# Allegro board pc065a_toplevel_49_modvia.brd (continued)
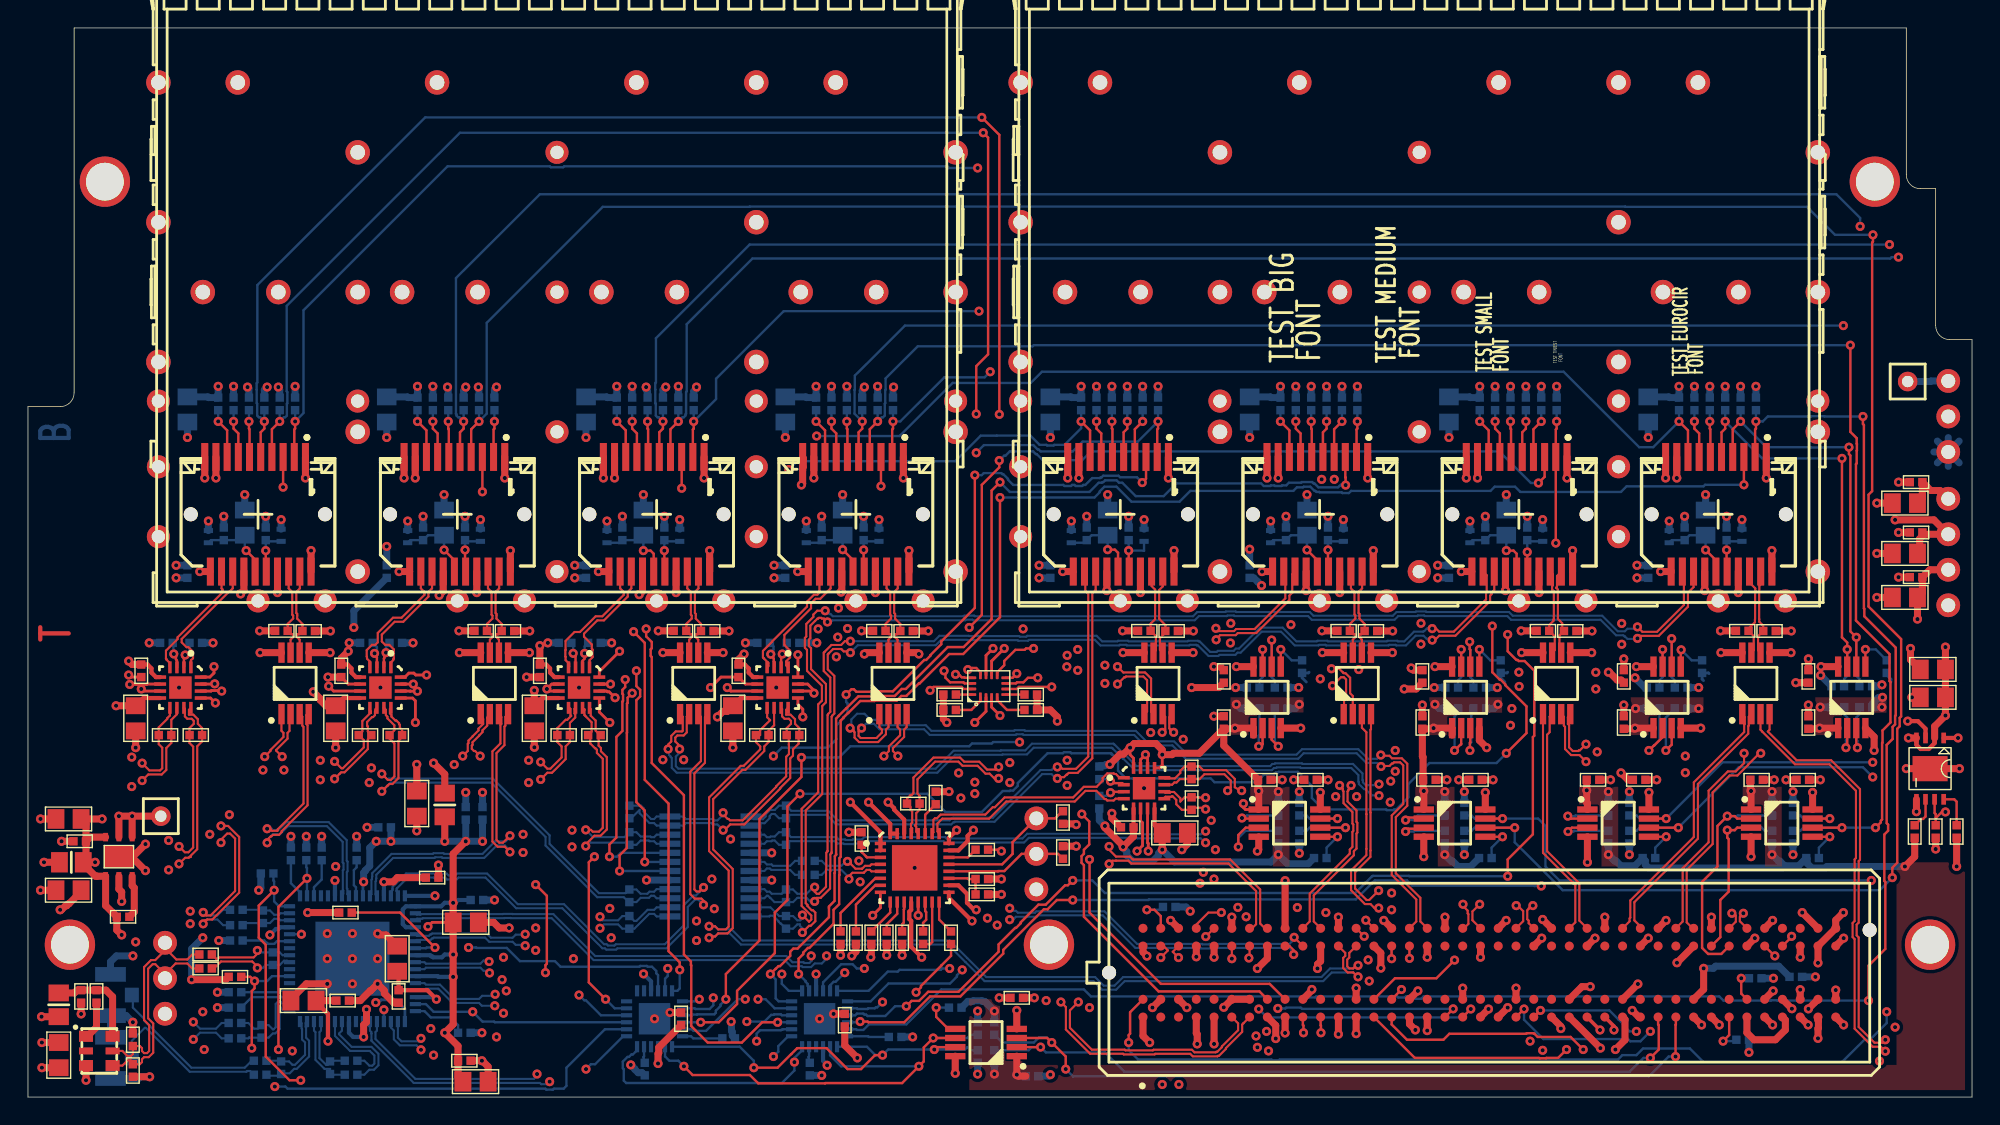
[diagram p0: board, top side]
## Routing (per net, layer and track width the routed paths; a pad name or vN(x,y) marks a point on that pad's centre or on a via; arc(x,y) is an arc through that point) (continued)
P1V3: length 39.9
  TOP w0.3: U11.4 135.03,25.2 135.33,24.9 135.9,24.9 136.32,25.33 U11.2
  TOP w0.5: R107.2 v1(106.77,33.36) ; R100.2 v1(126.07,33.35) ; J40.2 135.98,37.73 C36.2 135.45,36.1 C37.2 v1(135.1,34.2) ; R123.2 v1(78.27,33.36) ; R51.2 v1(64.37,33.35) ; R22.2 v1(16.57,33.36) ; R42.2 v1(45.07,33.36) ; R115.2 v1(92.52,33.36) ; R108.2 v1(111.82,33.35) ; R35.2 v1(35.87,33.35) ; R50.2 v1(59.6,33.36) ; R124.2 v1(83.32,33.35) ; R43.2 v1(50.12,33.35) ; R23.2 v1(21.62,33.35) ; v1(137.1,32.2) C100.2 C99.2 v1(137.1,27.3) 136.32,26.52 U11.2 ; U11.4 v1(134.45,25.7) ; R99.2 v1(121.02,33.36) ; R116.2 v1(97.57,33.35) ; R34.2 v1(30.82,33.36)
  L5_PWR w0.5: 136.52,36.95 J40.2 ; J40.2 136.52,38.51 ; J40.2 136.27,37.73 ; J40.2 137.3,36.7 ; J40.2 137.3,38.76 ; J40.2 138.08,38.51 ; J40.2 138.08,36.95
P1V8A: length 27.5
  TOP w0.3: v1(29.2,7) 28.55,7.65 C18.2 26.5,8.62 26.4,8.72 C16.2 ; C19.2 20.6,6.8 21.45,5.95 v1(21.45,4)
  TOP w0.5: v1(7.45,20.1) TP1.1 ; v1(7.45,20.1) v1(6.5,20.1) U2.5 ; v1(7.45,20.1) U2.4 ; C20.2 C19.2
  L5_PWR w0.5: TP1.1 10.17,20.77 ; TP1.1 10.38,20.1 ; TP1.1 8.83,19.43 ; TP1.1 8.83,20.77 ; TP1.1 8.62,20.1 ; TP1.1 9.5,19.22 ; TP1.1 9.5,20.98 ; TP1.1 10.17,19.43
  BOTTOM w0.3: v1(29.2,7) 29.05,7.15 IC3.46 ; v1(29.1,14.4) IC3.32 ; IC3.60 v1(21.45,4)
P2V5: length 187.5
  TOP w0.2: 88,20.58 87.05,20.58 86.9,20.72 v1(86.9,21) ; IC5.16 26.95,30.05 27.24,30.34 27.59,30.34 27.73,30.2 v1(28.5,30.2) ; v1(13.3,30.8) 13.3,30.34 13.01,30.05 IC4.16 ; IC13.16 79.05,24.24 78.8,24.49 v1(78.8,25) ; IC4.13 13.05,28.55 v1(13.4,28.2) ; IC13.13 80.9,23.55 81.1,23.75 v1(81.1,24.5) ; v1(27.7,26.8) 27.7,28.35 27.5,28.55 IC5.13 ; IC21.3 68.9,27.9 v1(69.5,27.3) ; IC7.16 v1(55.05,31.65) ; v1(41.6,26.8) 40.85,27.55 IC6.13 ; IC6.16 40.85,30.45 v1(42.3,31.9) ; v1(55.4,27.2) 55.4,27.75 55.05,28.1 IC7.13
  TOP w0.3: IC6.5 37.65,30.05 37.33,30.37 37.33,30.67 37.05,30.95 C106.2 ; IC5.8 22.55,28.55 C105.2 ; IC13.5 C110.2 ; C104.2 22.85,30.95 23.13,30.67 23.13,30.37 23.45,30.05 IC5.5 ; C108.2 51.25,30.95 51.53,30.67 51.53,30.37 51.85,30.05 IC7.5 ; C107.2 36.75,28.55 IC6.8 ; C103.2 8.25,28.55 IC4.8 ; IC13.8 80.55,19.45 C111.2 ; C109.2 50.95,28.55 IC7.8 ; IC4.5 9.15,30.05 8.83,30.37 8.83,30.67 8.55,30.95 C102.2
  TOP w0.5: C102.2 7.45,30.95 v1(7.2,31.2) ; C111.2 v1(81.1,17.7) ; C39.2 135.26,39.06 135.26,39.95 135.58,40.27 ; 88,20.58 v1(88,21.9) 87.95,21.95 ; v1(49.29,27.2) 49.3,27.2 49.7,27.6 50,27.6 C109.2 ; v1(133.5,41.3) 136.27,41.3 J40.3 135.58,40.27 ; C107.2 v1(36.2,29.1) ; C105.2 21.3,28 20.9,28.4 20.9,28.5 v1(20.4,29) ; v1(111.45,21.95) 111.45,21.06 111.5,21.01 111.5,20.58 ; v1(111.45,21.95) C85.2 ; v1(111.45,21.95) 111.5,21.9 ; v1(22.9,31.9) 22.4,31.4 C104.2 ; 116.22,26.4 v1(114.9,26.4) 114.85,26.35 C93.2 ; IC11.1 v1(70.7,1.6) 70.8,1.5 C79.2 ; C106.2 v1(36.6,32.3) ; v1(77,19.4) 77,19.27 78.3,17.97 v1(78.3,17.9) 79.05,18.65 C110.2 ; v1(77.35,23.8) 78.09,24.54 78.34,24.54 v1(78.8,25) 79.1,25.3 80.64,25.3 81.09,24.84 81.09,24.51 v1(81.1,24.5) 81.8,24.5 81.9,24.6 83.75,24.6 C89.2 ; v1(51.2,31.7) 50.8,31.3 C108.2 ; 87.95,21.95 C81.2 85.5,25.15 C89.2 ; 87.95,21.95 87.9,22 ; C89.2 86.25,26.35 v1(86.3,26.4) IC17.1 87.62,25.9 ; C95.2 128.05,26.35 v1(128.1,26.4) 129.43,26.4 ; 99.8,20.58 v1(99.8,21.9) 99.75,21.95 C83.2 99.75,24.33 99.7,24.38 C91.2 100.45,26.35 v1(100.5,26.4) IC18.1 101.83,25.9 ; v1(134.2,16.5) 134.9,17.2 R183.1 ; C103.2 v1(6.3,28) ; 135.58,40.27 C38.2 ; C87.2 123.15,21.95 v1(123.2,21.9) 123.2,20.58
  L5_PWR w0.5: 137.3,47.67 J39.2 ; J39.2 137.3,49.73 ; J39.2 136.52,47.92 ; J39.2 138.08,49.48 ; J39.2 138.08,47.92 ; J39.2 136.52,49.48 ; J39.2 136.27,48.7
  BOTTOM w0.2: R173.1 132.9,30.2 133.2,29.9 133.2,29.7 ; 105.8,30.4 105.75,30.35 R163.1 105.3,30 105.6,29.7 ; 91.6,30.4 91.55,30.35 R158.1 91.1,30 91.4,29.7 ; 119.8,29.8 119.7,29.9 R168.1 120.15,30.35 120.2,30.3
  BOTTOM w0.5: R66.1 v1(41.73,32.5) ; R95.1 76.66,23.7 76.98,23.7 77.08,23.8 v1(77.35,23.8) ; v1(89.4,17.35) 90.05,16.7 91.55,16.7 R138.1 ; v1(89.4,17.35) 88.87,16.82 81.98,16.82 v1(81.1,17.7) 80.83,17.44 80.83,17.3 80.4,16.87 79,16.87 78.56,17.3 78.56,17.56 78.3,17.82 v1(78.3,17.9) ; v1(89.4,17.35) R136.2 ; v1(70.7,1.6) 70.8,1.5 C79.2 ; R58.1 v1(13.23,32.5) ; R70.1 v1(56.4,32.5) ; R147.2 v1(113,21.85) ; v1(105.1,28.1) 104.8,27.8 R161.2 ; 125.59,16.55 125.26,16.88 125.16,16.88 v1(124.7,17.35) R151.2 ; 125.59,16.55 126.6,16.55 R153.1 127.2,17.05 127.2,16.74 127.55,16.39 128.52,16.39 128.63,16.5 v1(134.2,16.5) ; 125.59,16.55 125.43,16.39 115.88,16.39 115.64,16.63 115.64,16.91 R148.1 114.9,16.55 113.89,16.55 113.56,16.88 113.46,16.88 v1(113,17.35) R146.2 ; R172.2 v1(128.15,27.9) ; R142.2 v1(101.3,21.85) ; R157.2 86.7,27.8 86.4,28.1 v1(86.4,28.1) ; R71.1 v1(51.3,32.5) ; R96.1 76.6,19.8 v1(77,19.4) ; R131.2 v1(69.1,6.15) 68.41,6.84 68.25,6.84 68.2,6.89 67.6,6.89 67.55,6.84 67.19,6.84 R133.1 ; R59.1 v1(8.67,32.5) ; v1(132.6,28.6) 132.35,28.6 132.31,28.56 132.28,28.56 131.9,28.17 131.9,28.15 131.85,28.1 R171.2 v1(132.56,27.9) ; R132.2 v1(69.1,1.65) ; R137.2 v1(89.4,21.85) ; R162.2 100.9,27.8 100.6,28.1 v1(100.6,28.1) ; R167.2 v1(114.95,27.8) ; R67.1 v1(37.17,32.5) ; R141.2 v1(101.3,17.35) 101.76,16.88 101.86,16.88 102.25,16.5 103.15,16.5 R143.1 ; R166.2 v1(119.45,27.8) ; v1(90.9,28.1) 90.6,27.8 R156.2 ; R62.1 v1(27.53,32.5) ; R63.1 v1(22.97,32.5) ; R152.2 v1(124.7,21.85)
P3V3: length 191.9
  TOP w0.2: v1(67.7,26.8) 68.5,27.6 IC21.2
  TOP w0.3: IC9.24 65.85,18.55 v1(66.4,19.1) ; IC9.2 IC9.1 60.95,18.95 v1(58.8,21.1) ; v1(67.8,13.4) 67.64,13.4 67.14,13.9 67.14,14.54 66.53,15.15 IC9.18 ; U11.1 v1(138,25.7) ; IC9.12 63.15,13.4 63.02,13.26 63.02,12.74 63.15,12.6 63.15,10.75 v1(63.9,10) ; v1(60.1,21.1) 61.65,19.55 IC9.32 IC9.31
  TOP w0.5: L3.1 v1(0.97,5.75) ; C86.2 114.4,22.7 v1(113.9,23.2) ; C92.2 99.25,29.2 v1(98.4,29.2) ; U4.8 v1(30.85,31.8) ; v1(59.8,31.7) 59.9,31.8 U6.8 ; L2.1 29.8,23.1 v1(29,23.9) ; R178.2 R176.2 73.1,27.7 73.6,27.2 v1(73.6,26.9) ; U11.5 v1(135.03,20.42) ; 129.43,30.8 v1(128.2,30.8) ; J10.C39 127.98,5.49 128.02,5.46 128.02,4.93 127.98,4.9 v1(127.98,4.2) ; 116.22,30.8 v1(115,30.8) ; R182.1 v1(136.4,17.75) ; U7.8 v1(121.05,31.8) ; C88.2 v1(125.7,22.7) ; C98.2 45.1,3.55 45.1,3.15 45.05,3.1 v1(45.05,2.4) ; 124.17,7 v1(124.78,7.6) ; C90.2 85.15,29.3 v1(83.2,29.3) ; C82.2 v1(90.5,22.7) ; C84.2 v1(102.3,22.7) ; U9.8 v1(92.55,31.8) ; U8.8 v1(106.8,31.8) ; R82.1 v1(69.6,15.6) ; 129.25,7 v1(129.25,7.66) ; C80.2 v1(69.45,7.1) ; IC18.8 v1(100.6,30.8) ; IC17.8 v1(86.4,30.8) ; C2.2 135.45,42.85 C1.2 136.05,43.4 136.71,43.4 J40.4 ; U10.8 v1(78.3,31.8) ; C94.2 113.91,29.84 113.63,29.84 113.07,30.4 v1(113,30.4) ; C96.2 v1(126.4,29.65) ; v1(74.95,19.49) 74.89,19.55 R93.2 ; L1.1 v1(1.15,16.8) ; R94.2 v1(74.95,17.95) ; v1(59.3,2.8) 58.4,3.7 C97.2 ; 127.6,20.58 v1(127.6,21.8) ; U5.8 v1(45.4,31.8) ; 126.72,7 v1(126.72,7.69) ; 104.2,20.58 v1(104.2,21.8) ; C4.2 v1(0.9,14.8) ; IC11.8 v1(66.3,1.7) ; C6.2 v1(1,3.9) ; 115.9,20.58 v1(115.9,21.8) ; R84.1 v1(61.4,10.15) ; 92.4,20.58 v1(92.4,21.8) ; C3.2 v1(27.8,23.8) ; 18.12,31.8 v1(16.6,31.8)
  L7_PWR w0.5: 136.27,42.81 J40.4 ; J40.4 136.52,42.03 ; J40.4 138.08,43.59 ; J40.4 138.08,42.03 ; J40.4 137.3,43.84 ; J40.4 136.52,43.59 ; J40.4 137.3,41.78
  BOTTOM w0.3: IC23.21 v1(45.05,2.4) ; IC10.21 56.85,2.59 57.1,2.34 57.1,2.31 v1(57.14,2.27)
  BOTTOM w0.5: 74.6,40.54 v1(74.6,41.22) ; C64.2 v1(100.8,37.15) ; R44.1 47.6,50.5 47.8,50.7 v1(47.8,50.8) ; v1(33.5,50.8) 33.5,50.8 33.35,50.65 R36.1 ; 88.85,40.54 v1(88.85,41.22) ; R149.2 v1(114.5,17.35) ; R155.2 v1(126.2,21.85) ; R106.2 v1(119.15,50.85) ; R139.2 v1(90.9,17.44) ; C65.2 103.07,50.1 103.12,50.05 R110.1 v1(103.8,50.85) ; C41.2 27.12,50.1 27.17,50.05 R37.1 v1(27.85,50.85) ; 103.1,40.54 v1(103.1,41.22) ; R28.2 18,50.6 17.9,50.7 v1(17.9,50.8) ; v1(15.7,50.8) 15.7,50.8 15.8,50.7 R26.2 ; R164.2 v1(105.05,29.3) ; R41.2 v1(28.95,50.85) ; R113.2 v1(108.2,50.85) ; R56.2 v1(60.75,50.85) ; R111.2 v1(106,50.85) ; R160.2 v1(86.35,29.3) ; v1(89.55,50.85) R118.1 88.87,50.05 88.82,50.1 C70.2 ; v1(118.05,50.85) R102.1 117.37,50.05 117.32,50.1 C60.2 ; R130.2 v1(76.4,50.85) ; R47.2 45.4,50.6 45.6,50.8 v1(45.6,50.8) ; R40.2 32.25,50.75 32.2,50.8 v1(32.2,50.8) ; R128.2 v1(78.6,50.85) ; C40.2 23.3,34.8 v1(23.3,33.6) ; R135.2 v1(67.9,1.65) ; L16.1 v1(94.05,41.32) ; R29.2 v1(14.7,50.85) ; IC8.5 v1(44.23,15.53) ; v1(30,50.8) 30,50.7 30.05,50.65 R38.2 ; R105.2 v1(122.45,50.85) ; v1(59.8,50.8) 59.8,50.7 59.65,50.55 R55.2 ; L6.1 v1(32.35,41.32) ; R109.1 v1(109.3,50.85) ; R48.2 v1(46.5,50.85) ; L18.1 v1(79.8,41.32) ; R57.2 v1(57.45,50.85) ; R144.2 v1(102.7,17.35) ; R39.2 31.15,50.55 31.3,50.7 v1(31.3,50.8) ; C51.2 55.62,50.1 55.67,50.05 R53.1 v1(56.35,50.85) ; R46.2 44.3,50.5 44.2,50.6 v1(44.2,50.8) ; R33.2 v1(127.8,8.6) ; v1(88.2,36.6) 87.94,36.87 87.93,36.87 87.65,37.15 C69.2 ; R103.2 v1(120.25,50.85) ; v1(132.56,29.5) 132.4,29.5 132.3,29.4 R174.2 ; L4.1 v1(18.1,41.32) ; 41.4,40.54 v1(41.4,41.22) ; R180.1 50.36,4.39 50.36,4.67 50.3,4.73 50.3,5.37 v1(50.28,5.4) ; R52.1 61.85,50.76 v1(61.89,50.8) ; C50.2 v1(53.35,37.15) ; C46.2 41.37,50.1 41.42,50.05 R45.1 v1(42.1,50.85) ; 27.15,40.54 v1(27.15,41.22) ; 12.9,40.54 v1(12.9,41.22) ; R112.2 v1(107.1,50.85) ; R169.2 v1(119.45,29.3) ; R150.2 v1(114.5,21.85) ; R114.2 v1(104.9,50.85) ; R154.2 v1(126.2,17.35) ; R27.2 16.9,50.6 17.1,50.8 v1(17.1,50.8) ; R104.2 v1(121.35,50.85) ; R119.2 v1(91.75,50.85) ; C59.2 v1(115.05,37.15) ; L12.1 v1(122.55,41.32) ; IC8.20 v1(53.17,15.53) ; L8.1 v1(46.6,41.32) ; C75.2 74.57,50.1 74.62,50.05 R126.1 v1(75.3,50.85) ; R159.2 v1(90.85,29.3) ; R129.2 v1(79.7,50.85) ; v1(114.9,30) 115.6,29.3 R170.2 ; R165.2 v1(100.55,29.3) ; 117.35,40.54 v1(117.35,41.22) ; R122.2 v1(90.65,50.85) ; R121.2 v1(93.95,50.85) ; v1(13.6,50.85) R25.1 12.92,50.05 12.87,50.1 C32.2 ; R134.2 v1(67.9,6.15) ; 55.65,40.54 v1(55.65,41.22) ; L14.1 v1(108.3,41.32) ; R127.2 v1(77.5,50.85) ; R117.1 v1(95.05,50.85) ; C74.2 v1(72.3,37.15) ; R145.2 v1(102.7,21.85) ; C31.2 v1(10.6,37.15) ; R24.1 v1(19.1,50.85) ; R49.2 v1(43.2,50.85) ; R125.1 v1(80.8,50.85) ; C45.2 v1(39.1,37.15) ; R54.2 v1(58.55,50.85) ; L10.1 v1(60.85,41.32) ; R175.2 v1(128.18,30.17) ; R120.2 v1(92.85,50.85) ; R140.2 v1(90.9,21.85) ; R101.1 v1(123.55,50.85)
P3V3A: length 26
  TOP w0.5: C5.2 4.15,17 L1.2 ; C5.2 4.45,18.6 U2.6 ; C5.2 4.15,19.55 C8.2 v1(5.3,19.9) ; L1.2 3.95,16.68 4.82,15.81 4.94,15.81 4.95,15.8 U2.1 5.55,13.7 R2.1 6.35,11.95 v1(6.7,11.6) ; L1.2 v1(4.8,16.8) ; R6.1 v1(20,13.2) ; R9.1 14.15,8.4 v1(11.7,8.4)
  BOTTOM w0.3: v1(17.3,11.6) 17.73,12.03 17.9,12.03 18.02,12.15 IC3.13
  BOTTOM w0.5: R8.1 v1(19.9,18.65) ; R7.1 16.65,14.95 v1(16.5,14.8) ; v1(11.7,8.4) 11.7,10.6 v1(12.5,11.4)
P3V3B: length 64.2
  TOP w0.2: C12.2 28.9,12.5 v1(28.6,12.2)
  TOP w0.5: L2.2 v1(29.8,18.3) ; v1(24,4.3) 24,5.16 24.2,5.37 v1(24.2,6.28) ; C17.2 30.75,1.45 C15.2 30.75,3.65 v1(29.8,4.6) 30.4,5.2 v1(30.4,8.6) v1(30.4,10.2) C12.2 v1(30.4,13.9) 30.4,17.4 v1(31.3,18.3) ; C7.2 26.41,15.7 26.11,15.4 v1(25.45,15.4)
  BOTTOM w0.2: IC3.26 23.95,15.35 v1(24,15.4) ; v1(24.87,6.77) 25,6.9 25.2,6.9 25.26,6.96 26.29,6.96 26.95,6.3 IC3.49 ; IC3.52 v1(25.45,6.25)
  BOTTOM w0.3: v1(30.4,10.2) 29.8,10.2 29.6,10 28.97,10 28.9,10.07 28.84,10.07 28.75,10.15 IC3.40 ; v1(24,4.3) 23.25,4.3 22.95,4.6 IC3.57 ; v1(25.45,15.4) IC3.29 ; v1(30.4,8.6) 29.34,8.6 29.29,8.65 IC3.43 ; C9.2 30.76,14.1 30.56,13.9 v1(30.4,13.9) 29.8,13.9 29.55,13.65 IC3.33 27.02,13.65 26.8,13.43 26.8,12.37 27.02,12.15 IC3.36 ; IC3.22 v1(21.95,15.5)
  BOTTOM w0.5: v1(25.95,18.3) v1(29.8,18.3) v1(31.3,18.3) ; v1(25.95,18.3) C13.2 ; v1(25.95,18.3) v1(24.9,18.3) 24.44,17.84 24.44,16.53 24.13,16.23 24.13,16.19 24,16.06 v1(24,15.4) ; v1(31.3,18.3) v1(32.5,18.3) C14.2 ; v1(31.3,18.3) C11.2
P3V3C: length 7
  TOP w0.5: QZ1.6 6.05,7.18 5.58,7.65 R3.1 C10.2 3.52,7.65 3.32,7.45 L3.2
P12V: length 5.4
  TOP w0.5: J10.C37 125.65,5.52 125.65,4.81 124.94,4.1 123.41,4.1 122.91,4.6 J10.C35
3P3VAUX: length 9
  TOP w0.5: v1(119.81,9.21) 119.81,7.71 119.09,7
  BOTTOM w0.5: v1(119.81,9.21) 120.51,9.21 120.67,9.37 125.19,9.37 R33.1
CDR_CLK_N: length 15.4
  TOP w0.15: IC13.4 77.76,21.35 77.63,21.22 77.17,21.22 77.06,21.32 76.98,21.32 76.39,21.91 75.61,21.91 74.85,21.15 69.95,21.15 68.72,19.92 65.38,19.92 65.03,19.57 65.03,19.01 65.13,18.9 65.13,18.87 IC9.25
CDR_CLK_P: length 16.3
  TOP w0.15: IC9.26 64.74,18.94 64.74,19.84 64.85,19.95 65,19.95 65.26,20.21 68.45,20.21 68.98,20.74 69.13,20.74 69.83,21.44 74.73,21.44 75.49,22.2 76.41,22.2 76.84,22.63 76.84,22.83 77.17,23.16 77.63,23.16 77.68,23.12 77.78,23.12 78.05,22.85 IC13.1
CDR_D_N: length 49.9
  TOP w0.15: IC9.28 63.51,18.99 63.51,19.35 63.42,19.43 63.51,19.52 63.51,20.32 63.75,20.56 R92.2 63.75,21.56 63.6,21.71 63.6,22.74 64.86,24 66.52,24 66.82,23.7 67.9,23.7 68.46,23.14 68.76,23.14 69.1,22.8 v1(69.4,22.8) ; 87.34,5.73 86.92,5.3 86.92,5.29 86.81,5.18 86.81,4.66 85.66,3.5 85.66,3.45 85.16,2.95 85.09,2.95 85.05,2.91 83.29,2.91 83.1,3.1 80.6,3.1 80.55,3.05 78.35,3.05 78.3,3.1 75.94,3.1 74.21,4.83 74.21,6.44 v1(73.85,6.8)
  L6_SIG w0.15: v1(73.85,6.8) 74.27,7.21 74.27,7.71 75.68,9.12 75.68,15.78 75.17,16.29 75.17,16.32 75.15,16.35 75.15,16.38 73.39,18.14 73.39,21.77 72.04,23.12 70.65,23.12 70.59,23.06 69.97,23.06 69.94,23.03 69.79,23.03 69.73,22.97 69.67,22.97 69.5,22.8 v1(69.4,22.8)
CDR_D_P: length 50.2
  TOP w0.15: 86.08,5.73 86.52,5.28 86.52,4.78 85.36,3.62 85.36,3.57 85.04,3.24 84.97,3.24 84.93,3.2 83.41,3.2 83.22,3.39 80.48,3.39 80.43,3.34 78.47,3.34 78.42,3.39 76.06,3.39 74.5,4.95 74.5,6.2 v1(75.1,6.8) ; v1(69.4,23.62) 69.21,23.43 68.58,23.43 68.02,24 66.94,24 66.64,24.29 64.74,24.29 63.31,22.86 63.31,21.74 63.16,21.59 63.09,21.59 63.09,21.59 62.85,21.35 R92.1 63.1,20.75 63.1,20.56 63.22,20.44 63.22,19.64 63.13,19.55 63.13,19.31 63.22,19.23 63.22,18.92 IC9.29
  L6_SIG w0.15: v1(69.4,23.62) 69.49,23.53 69.5,23.53 69.6,23.43 69.63,23.43 69.72,23.34 69.81,23.34 69.84,23.37 70.46,23.37 70.52,23.43 72.17,23.43 73.7,21.9 73.7,18.27 75.46,16.51 75.46,16.48 75.48,16.45 75.48,16.42 75.99,15.91 75.99,8.99 74.6,7.6 74.6,7.3 v1(75.1,6.8)
CDR_IN_N: length 5.6
  TOP w0.15: IC9.5 60.3,16.15 60.2,16.26 59.97,16.26 59.76,16.05 59.75,16.05 58.95,16.05 58.7,15.8 v1(58.7,15.6)
  BOTTOM w0.15: v1(58.7,15.6) 58.7,15.71 58.16,16.26 57.11,16.26 56.75,15.9 C55.2
CDR_IN_P: length 5.4
  TOP w0.15: v1(58.59,16.86) 58.61,16.85 58.76,16.85 58.84,16.77 58.84,16.67 59.17,16.34 59.64,16.34 59.85,16.55 60.2,16.55 60.3,16.65 IC9.4
  BOTTOM w0.15: C56.2 56.75,16.9 57.11,16.55 58.16,16.55 58.46,16.85 58.57,16.85 v1(58.59,16.86)
CDR_LOL: length 32.8
  TOP w0.17: R91.2 66,10.11 65.33,9.44 65.33,9.43 63.85,7.95 63.85,7.85 v1(63.5,7.5)
  L3_SIG w0.17: v1(63.5,7.5) 63.01,7.5 62.91,7.6 52.78,7.6 52.77,7.61 52.59,7.61 52.57,7.62 49.28,7.62 49.24,7.67 48.76,7.67 48.72,7.62 44.91,7.62 44.91,7.62 43.52,7.62 43.52,7.62 41.48,7.62 41.44,7.67 40.96,7.67 40.59,7.3 v1(39.4,7.3)
  BOTTOM w0.17: v1(39.4,7.3) 39.78,6.92 39.9,6.92 40.97,5.85 IC23.4
CDR_LOS: length 43.4
  TOP w0.17: v1(40.5,17.2) 40.1,16.8 40.1,8.2 v1(41.3,7) ; R89.1 69.5,17.7 v1(69.6,17.6)
  L3_SIG w0.17: v1(40.5,17.2) 41.01,17.7 41.01,17.71 41.34,18.05 41.81,18.05 41.86,18 49.89,18 50,17.89 50.47,17.89 50.63,18.05 69.11,18.05 69.17,17.98 69.22,17.98 v1(69.6,17.6)
  BOTTOM w0.17: v1(41.3,7) 41.95,6.35 IC23.5
CLK_IN_N<0>: length 11.6
  BOTTOM w0.15: PX2.1 7.5,7.23 7.5,6.4 8.3,5.6 8.3,5.49 11.69,2.1 15.5,2.1 16,2.6 C22.2
CLK_IN_N<1>: length 89.3
  TOP w0.15: v1(87.3,9.95) 87.34,10 87.34,10.8
  L3_SIG w0.15: v1(87.81,4.37) 87.76,4.32 87.47,4.32 87.26,4.11 85.99,4.11 85.4,4.7 83.94,4.7 83.88,4.76 83.19,4.76 83.13,4.7 80.63,4.7 80.56,4.77 79.84,4.77 79.77,4.7 79.23,4.7 79.16,4.77 78.34,4.77 78.29,4.73 73.61,4.73 73.56,4.77 73,4.77 72.94,4.83 72.26,4.83 72.13,4.7 65.74,4.7 65.23,5.21 63.89,5.21 63.82,5.28 60.6,5.28 60.57,5.25 60.51,5.25 60.11,4.85 60.07,4.85 59.64,4.42 53.57,4.42 53.5,4.49 53.29,4.49 52.96,4.81 52.52,4.81 52.46,4.87 51.74,4.87 51.7,4.83 48.38,4.83 48.33,4.79 47.87,4.79 47.82,4.83 44.77,4.83 44.38,5.22 38.64,5.22 38.59,5.17 33.56,5.17 33.18,5.55 32.13,5.55 32.09,5.51 32.01,5.51 31.96,5.46 31.58,5.46 31.23,5.81 26.67,5.81 26.37,5.51 20.51,5.51 19.91,4.91 12.31,4.91 12.27,4.96 12.23,4.96 v1(11.82,5.37)
  L6_SIG w0.15: v1(87.3,9.95) 86.82,9.47 86.82,4.26 86.97,4.11 87.26,4.11 87.47,4.32 87.76,4.32 v1(87.81,4.37)
  BOTTOM w0.15: C24.2 13.85,5.3 13.44,4.9 12.3,4.9 v1(11.82,5.37)
CLK_IN_N<2>: length 87.2
  TOP w0.15: IC13.9 81.25,21.41 81.33,21.49 81.77,21.49 81.82,21.54 82.1,21.26 82.1,20.95 82.5,20.55 R98.1 83.35,20.7 84.1,20.7 v1(84.2,20.6) ; v1(12.53,13.21) 12.75,13 13.06,13 14.81,14.74 14.81,18.49 14.45,18.85 14.24,18.85 13.8,18.41 v1(13.8,18.21)
  L3_SIG w0.15: v1(84.2,20.6) 84.1,20.7 83.72,20.7 83.52,20.9 72.71,20.9 72.51,21.1 71.69,21.1 71.14,20.55 67.08,20.55 67.06,20.53 66.34,20.53 66.32,20.55 62.25,20.55 61.85,20.15 54.05,20.15 53.1,21.1 49.84,21.1 49.64,20.91 49.47,20.91 49.14,20.58 49.14,20.43 48.85,20.14 17.05,20.14 15.64,18.73 13.95,18.73 13.8,18.58 v1(13.8,18.21)
  BOTTOM w0.15: v1(12.53,13.21) 12.75,13 13.54,13 13.95,13.4 C26.2
CLK_IN_N<3>: length 7
  BOTTOM w0.15: C28.2 24.05,1.6 24.41,1.96 24.74,1.96 25.06,2.27 25.06,3.09 24.56,3.59 23.15,3.59 22.24,4.5 22.24,4.54 22.45,4.75 IC3.58
CLK_IN_P<0>: length 11.8
  BOTTOM w0.15: PX1.1 7.42,4.03 8.35,4.95 8.42,4.95 11.57,1.81 15.62,1.81 15.67,1.86 15.89,1.86 C21.2
CLK_IN_P<1>: length 90
  TOP w0.15: v1(86.08,9.9) 86.08,10.8
  L3_SIG w0.15: v1(11.82,4.13) 12.29,4.6 20.04,4.6 20.64,5.2 26.5,5.2 26.8,5.5 31.1,5.5 31.45,5.15 32.09,5.15 32.14,5.2 32.22,5.2 32.26,5.24 33.05,5.24 33.43,4.86 38.72,4.86 38.77,4.91 44.25,4.91 44.64,4.53 47.69,4.53 47.74,4.48 48.46,4.48 48.51,4.53 51.83,4.53 51.87,4.56 52.33,4.56 52.39,4.5 52.83,4.5 53.16,4.18 53.37,4.18 53.44,4.11 59.77,4.11 60.2,4.54 60.24,4.54 60.64,4.94 60.7,4.94 60.73,4.97 63.69,4.97 63.76,4.9 65.1,4.9 65.61,4.39 72.26,4.39 72.39,4.52 72.81,4.52 72.87,4.46 73.43,4.46 73.48,4.42 78.42,4.42 78.47,4.46 79.03,4.46 79.1,4.39 79.9,4.39 79.97,4.46 80.43,4.46 80.5,4.39 83.26,4.39 83.32,4.45 83.75,4.45 83.81,4.39 85.27,4.39 85.86,3.8 87.26,3.8 87.47,3.59 87.87,3.59 87.9,3.56 v1(87.9,3.56)
  L6_SIG w0.15: v1(86.08,9.9) 86.51,9.47 86.51,4.13 86.84,3.8 87.26,3.8 87.47,3.59 87.87,3.59 v1(87.9,3.56)
  BOTTOM w0.15: v1(11.82,4.13) 12.3,4.61 13.44,4.61 13.85,4.2 C23.2
CLK_IN_P<2>: length 87.7
  TOP w0.15: v1(84.2,21.42) 84.11,21.42 84.1,21.43 83.72,21.43 83.7,21.45 R98.2 82.7,21.45 82.39,21.14 82.39,21.38 81.94,21.83 81.7,21.83 81.65,21.78 81.32,21.78 IC13.10 ; v1(13.8,19.4) 14.31,19.4 15.1,18.61 15.1,14.62 13.18,12.71 12.81,12.71 12.76,12.66 12.7,12.66 12.53,12.48 12.53,12.4 v1(12.53,12.39)
  L3_SIG w0.15: v1(84.2,21.42) 83.71,21.42 83.5,21.21 72.87,21.21 72.65,21.44 72.55,21.44 72.53,21.46 71.79,21.46 71.74,21.41 71.56,21.41 71.01,20.86 66.95,20.86 66.93,20.84 66.47,20.84 66.45,20.86 62.12,20.86 61.72,20.46 54.18,20.46 53.23,21.41 49.71,21.41 49.51,21.22 49.34,21.22 48.83,20.71 48.83,20.56 48.72,20.45 16.92,20.45 15.51,19.04 13.95,19.04 13.8,19.19 v1(13.8,19.4)
  BOTTOM w0.15: v1(12.53,12.39) 12.53,12.4 12.53,12.48 12.7,12.66 12.76,12.66 12.81,12.71 13.54,12.71 13.95,12.3 C25.2
CLK_IN_P<3>: length 6.4
  BOTTOM w0.15: IC3.59 21.95,4.38 23.03,3.3 24.44,3.3 24.77,2.97 24.77,2.39 24.62,2.25 24.41,2.25 24.05,2.6 C27.2
CLK_INTR_B: length 40.3
  L6_SIG w0.17: v1(17.65,0.75) 19.55,2.65 v1(19.55,11.65)
  BOTTOM w0.17: IC23.2 41.25,4.85 38.5,2.1 38.5,0.8 38.3,0.6 37.6,0.6 37.54,0.53 37.06,0.53 36.99,0.6 18.56,0.6 18.41,0.75 v1(17.65,0.75) ; IC3.12 v1(19.55,11.65)
CLK_LOL_B: length 15.6
  BOTTOM w0.17: IC3.47 28.45,6.65 29,6.1 v1(31.8,6.1) 32.5,5.4 33.33,5.4 33.38,5.35 IC23.3
CLK_MAIN_N<0>: length 21.3
  TOP w0.15: v1(17.1,18.2) 17.1,18.4 17.36,18.66 17.41,18.66 17.51,18.76 17.94,18.76 18.14,18.96 18.14,19.03 19.99,20.88 19.99,26.61 19.91,26.7 19.91,27.32 19.98,27.4 U3.4
  BOTTOM w0.15: IC3.23 22.45,14.45 22.55,14.55 22.55,14.78 22.51,14.81 22.51,16.22 22.56,16.27 22.56,16.73 22.5,16.79 22.5,18.26 21.38,19.39 18.6,19.39 18.01,18.8 17.5,18.8 17.1,18.4 v1(17.1,18.2)
CLK_MAIN_N<1>: length 23.3
  TOP w0.15: v1(34.46,18.7) 33.96,18.2 33.7,18.2 33.5,18.4 33.5,24.61 34.07,25.18 34.07,26.51 34.14,26.58 34.14,27.21 34.33,27.4
  BOTTOM w0.15: IC3.27 24.56,14.51 24.56,15.55 24.6,15.59 24.6,15.75 24.61,15.77 24.61,16.03 25.99,17.4 28.95,17.4 29,17.45 29.7,17.45 29.75,17.4 32.5,17.4 33.39,18.29 34.15,18.29 34.3,18.44 34.3,18.54 v1(34.46,18.7)
CLK_MAIN_N<2>: length 41.9
  TOP w0.15: v1(48.3,15) 48.01,14.71 47.8,14.71 47.65,14.86 47.65,23.16 48.41,23.92 48.41,27.18 48.58,27.35 U5.4
  BOTTOM w0.15: v1(48.3,15) 48.02,14.72 48.02,14.68 47.77,14.42 47.59,14.42 46.88,13.72 46.88,12.29 45.54,10.94 42.03,10.94 41.93,10.84 41.47,10.84 41.37,10.94 41.19,10.94 38.32,13.8 35.02,13.8 32.83,15.99 30.66,15.99 30.52,15.86 30.08,15.86 29.95,15.98 29.14,15.98 29.13,15.99 27.03,15.99 26.27,15.23 26.27,15.23 26.07,15.03 26.07,14.9 26.07,14.9 26.07,14.8 25.95,14.69 IC3.30
CLK_MAIN_N<3>: length 55.2
  TOP w0.15: U6.4 62.83,26.47 62.65,26.29 62.65,25.77 61.84,24.97 61.84,24.76 v1(62.2,24.4)
  L6_SIG w0.15: v1(56,10.1) 56.5,10.6 56.5,12.42 56.82,12.74 56.82,24.26 58.36,25.8 61.3,25.8 61.81,25.29 61.81,24.79 v1(62.2,24.4)
  BOTTOM w0.15: IC3.34 27.8,13.05 28.08,13.05 28.11,13.09 33.95,13.09 33.97,13.11 34.63,13.11 34.65,13.09 37.56,13.09 40.56,10.09 54.22,10.09 54.66,9.65 55.45,9.65 55.51,9.59 55.87,9.59 56.03,9.74 56.03,9.96 56,9.99 56,10 56,10 v1(56,10.1)
CLK_MAIN_N<4>: length 72.1
  TOP w0.15: 81.78,27.4 81.78,27.35 81.61,27.18 81.61,26.38 81.65,26.33 81.65,26.28 81.83,26.1 v1(81.91,26.1)
  L3_SIG w0.15: v1(35.55,11.65) 35.72,11.48 38.65,11.48 39.54,10.6 47.82,10.6 47.83,10.59 48.26,10.59 48.26,10.6 55.2,10.6 56.15,11.55 70.34,11.55 72.03,13.25 72.05,13.25 72.2,13.4 76.63,13.4 79.13,15.9 83.64,15.9 83.75,16.02 83.96,16.02 84.03,16.08 v1(84.04,16.08)
  L6_SIG w0.15: v1(84.04,16.08) 83.5,16.62 83.5,17.33 83.53,17.36 83.53,18.04 83.5,18.07 83.5,22.7 81.97,24.23 81.97,24.86 81.62,25.21 81.62,25.46 81.83,25.67 81.83,26.02 v1(81.91,26.1)
  BOTTOM w0.15: v1(35.55,11.65) 35.52,11.62 34.87,11.62 34.65,11.4 33.1,11.4 32.8,11.7 28.89,11.7 28.83,11.64 28.77,11.64 28.66,11.54 27.82,11.54 IC3.37
CLK_MAIN_N<5>: length 88.1
  TOP w0.15: v1(96.57,14.77) 95.9,14.1 95.71,14.1 94.89,14.92 94.89,16.09 95.98,17.19 95.98,17.64 95.99,17.64 95.99,20.36 95.98,20.36 95.98,26.29 96.03,26.33 U9.4
  L3_SIG w0.15: v1(32.97,9.7) 33.31,9.7 33.43,9.59 33.46,9.59 33.55,9.5 33.71,9.5 33.91,9.3 34.8,9.3 35.84,8.26 40.66,8.26 40.7,8.3 41.7,8.3 41.74,8.26 43.78,8.26 43.78,8.25 44.65,8.25 44.65,8.26 48.46,8.26 48.5,8.3 49.5,8.3 49.54,8.26 52.83,8.26 52.85,8.24 56.58,8.24 56.6,8.26 59.35,8.26 59.56,8.46 67.77,8.46 68.25,7.97 89.5,7.97 93.85,12.32 93.93,12.32 94.25,12.64 94.25,12.72 95.64,14.11 95.71,14.11 96.2,14.6 96.4,14.6 v1(96.57,14.77)
  BOTTOM w0.15: IC3.41 28.35,9.65 28.45,9.54 32.35,9.54 32.57,9.77 32.86,9.77 32.93,9.7 v1(32.97,9.7)
CLK_MAIN_N<6>: length 111.6
  TOP w0.15: v1(111.4,25.25) 110.96,24.81 110.89,24.81 110.84,24.76 110.45,24.76 110.19,25.02 110.19,26.61 110.11,26.7 110.11,27.18 110.28,27.35 110.28,27.4
  L3_SIG w0.15: v1(107.4,4) 107.5,3.9 107.5,3.52 107.35,3.37 107.14,3.37 105.03,5.47 100.86,5.47 100.71,5.62 99.61,5.62 99.56,5.67 98.84,5.67 98.64,5.47 92.81,5.47 92.4,5.89 89.78,5.89 89.63,5.74 86.86,5.74 86.74,5.86 83.62,5.86 83.2,5.44 73.2,5.44 73.2,5.45 66.96,5.45 66.51,5.9 65.23,5.9 65.17,5.84 64.71,5.84 64.65,5.9 60.97,5.9 60.31,6.56 59.58,6.56 59.37,6.76 58.02,6.76 57.96,6.82 57.24,6.82 57.18,6.76 55.96,6.76 55.7,6.5 52.49,6.5 52.43,6.44 50.5,6.44 50.42,6.36 47.77,6.36 47.75,6.34 47.19,6.34 46.79,6.75 46.79,6.79 46.59,6.98 46.52,6.98 46.49,6.96 44.66,6.96 44.14,6.44 38.96,6.44 38.44,6.96 33.74,6.96 33.4,7.3 v1(33.4,7.35)
  L6_SIG w0.15: v1(107.4,4) 107.99,4 108.09,4.1 108.09,4.55 108.22,4.69 108.22,4.85 109.1,5.73 109.1,23.22 110.59,24.71 110.86,24.71 v1(111.4,25.25)
  BOTTOM w0.15: v1(33.4,7.35) 33.29,7.24 32.47,7.24 32.25,7.02 30.48,7.02 29.45,8.04 28.45,8.04 28.35,8.15 IC3.44
CLK_MAIN_N<7>: length 139.3
  TOP w0.15: v1(132.8,4.1) 132.59,3.89 132.02,3.89 130.9,5.01 130.9,11.42 130.75,11.57 130.75,12.33 130.9,12.48 130.9,16.89 130.99,16.98 130.99,22.04 129.48,23.54 129.48,23.55 129.48,23.56 129.47,23.56 128.93,24.1 126.46,24.1 124.4,26.16 124.53,26.29 U7.4
  L3_SIG w0.15: v1(132.8,4.1) 132.61,3.91 131.97,3.91 130.27,2.21 110.16,2.21 110.11,2.16 87.44,2.16 87.04,2.56 75.68,2.56 75.41,2.83 74.61,2.83 74.56,2.87 73.84,2.87 73.79,2.83 72.11,2.83 71.94,3 65.96,3 65.77,2.81 64.53,2.81 64.04,3.3 62.5,3.3 61.88,3.92 60.26,3.92 60.06,3.73 53.71,3.73 53.66,3.77 52.94,3.77 52.72,3.56 52.45,3.56 52.33,3.44 51.87,3.44 51.81,3.5 51.69,3.5 51.63,3.56 45.78,3.56 45.58,3.76 37.39,3.76 37.31,3.84 35.49,3.84 35.41,3.76 33.75,3.76 33.73,3.74 33.27,3.74 33.25,3.76 33,3.76 32.95,3.8 29.83,3.8 29.76,3.87 28.83,3.87 28.5,4.2 v1(28.1,4.2)
  BOTTOM w0.15: v1(28.1,4.2) 28.1,4.14 27.95,3.99 26.71,3.99 26.45,4.25 IC3.50
CLK_MAIN_N<8>: length 71.8
  TOP w0.15: 82.27,10.8 81.85,10.39 v1(82.27,9.98)